# KiCad board Boston-keyboard-S.kicad_pcb (continued)
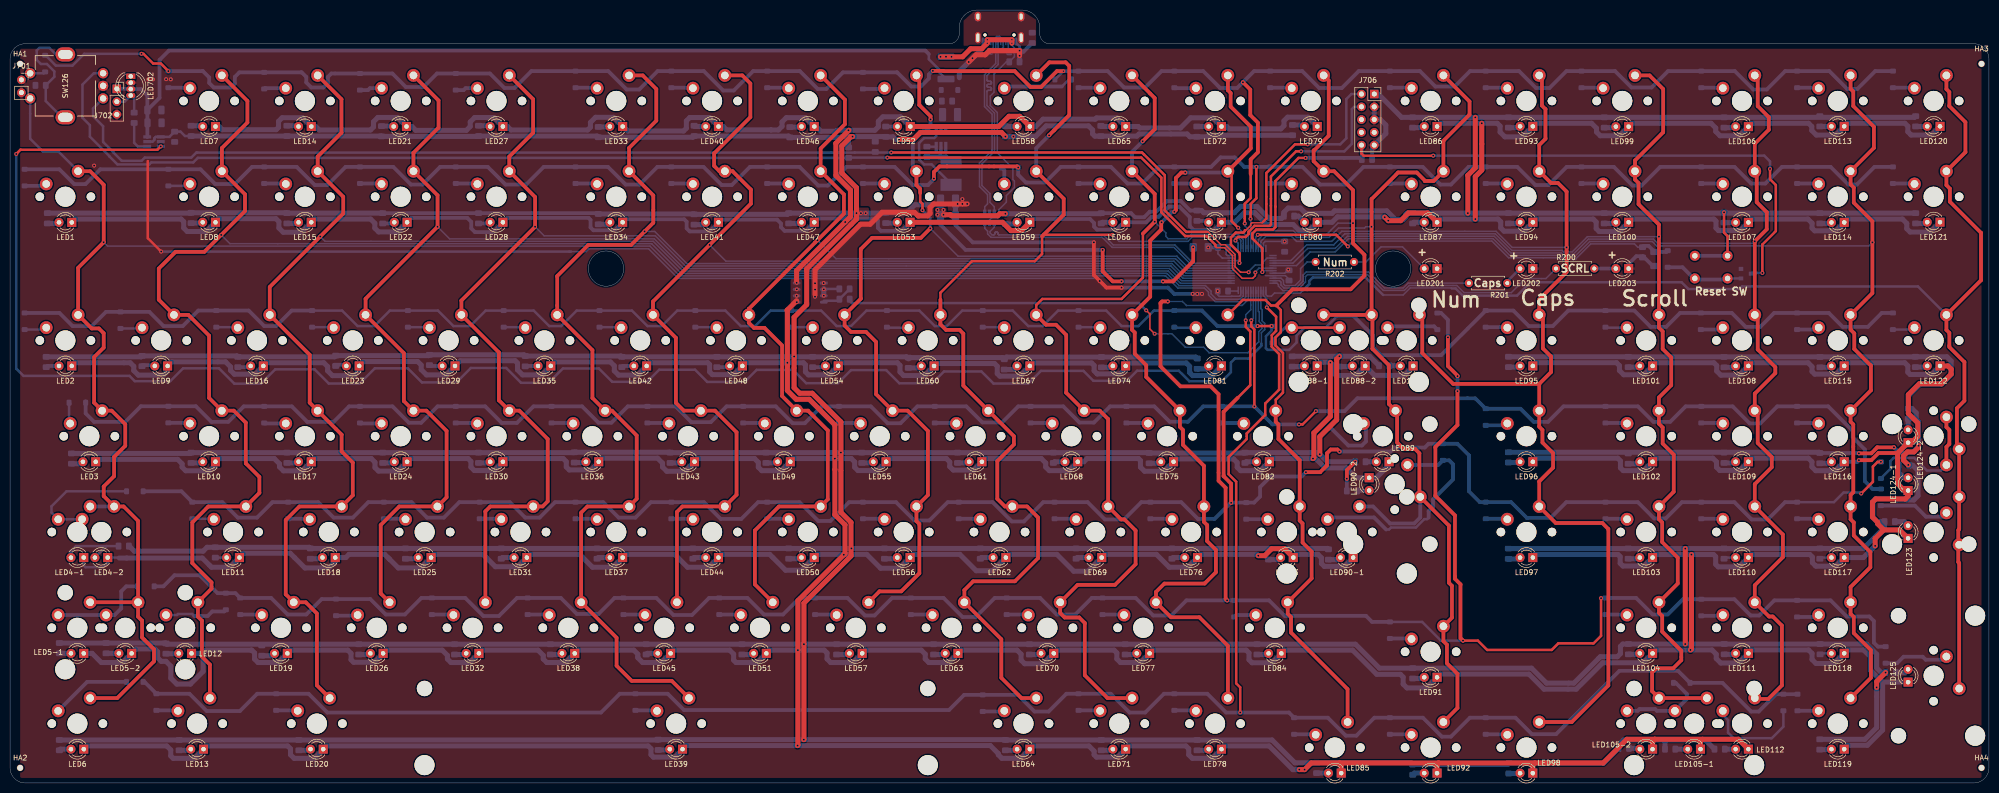
[diagram p0: board, top side]
## Routing (per net, layer and track width the routed paths; a pad name or vN(x,y) marks a point on that pad's centre or on a via; arc(x,y) is an arc through that point) (continued)
Dbus-: length 39.7
  Bottom w0.3: 196.99,147.97 196.99,148.22 196.73,148.48 196.24,148.48 195.99,148.23 195.99,143.08 193.76,140.85 193.76,134.5 195.26,133 195.26,125.8 192.76,123.3 192.76,118.6 194.36,117 194.36,115.16 193.8,114.6 U703.1
DI: length 7.2
  Bottom w0.5: R710.1 24.67,136.38 24.33,136.72 LED702.4 22.77,135.49 J702.2
EncA: length 262
  Top w0.3: v1(246.28,101.57) 244.67,101.57 243.57,102.67 243.57,105.09 241.63,107.03 240.79,107.03 238.23,109.59 237.98,109.59
  Top w0.5: v1(175.22,125.37) 225.08,125.37 229.6,120.85 229.6,113.86 233.87,109.59 237.98,109.59
  Bottom w0.3: v1(246.28,101.57) 246.59,101.88 246.59,102.01 247.57,102.99 248.87,102.99 249.22,103.34 249.22,103.67 249.93,104.38 U701.2
  Bottom w0.5: SW126.A 16.5,134.12 16.5,132.6 18.5,130.6 18.5,127.47 20.61,125.37 20.61,125.32 22.2,123.72 26.15,123.72 26.79,124.36 36.04,124.36 37.03,125.36 163.29,125.36 163.3,125.35 167.94,125.35 167.96,125.37 v1(175.22,125.37)
EncB: length 271.1
  Top w0.3: 239.67,106.72 239.94,106.45 241.49,106.45 243.06,104.88 243.06,102.3 245.01,100.35 247.08,100.35 247.61,100.88 v1(247.61,101.51)
  Top w0.5: 239.67,106.72 239.67,107.01 237.92,108.76 233.66,108.76 228.92,113.5 228.92,120.37 224.93,124.36 v1(174.44,124.36)
  Bottom w0.3: v1(247.61,101.51) 247.61,101.67 248.32,102.38 U701.6
  Bottom w0.5: SW126.B 16.65,141.12 14.4,138.88 14.4,132.28 15.87,130.81 15.87,128.53 19.72,124.67 19.72,124.63 21.35,123 27.67,123 28.07,123.4 36.42,123.4 37.33,124.31 R708.1 166.78,124.36 v1(174.44,124.36)
LED_PWM: length 98.8
  Top w0.3: v1(225.91,93.99) 226.65,93.25 226.65,90.27 v1(227.59,89.33)
  Bottom w0.3: v1(227.59,89.33) 227.6,89.32 231,89.32 233.68,86.65 237.32,86.65 238.43,85.55 246.12,85.55 248.29,87.72 248.29,89.73 248.91,90.35 248.91,91.19 248.39,91.71 248.39,93.62 248.21,93.8 U701.16
  Bottom w0.5: 167.14,95.68 167.39,95.43 224.47,95.43 v1(225.91,93.99)
LED_switch: length 2958.4
  Top w0.75: v1(367.62,64.19) 370.09,64.19 371.5,65.61 375.32,65.61
  Top w1: LED52.1 196.59,130.55 198.62,132.57 200.74,132.57 LED58.1 ; v1(334.12,26.44) 334.32,26.64 v1(334.32,45.42) ; LED53.1 197.34,111.5 199,109.84 201.12,109.84 LED59.1 ; 327.04,8.69 326.6,8.25 LED105-2.1 ; 327.04,8.69 343.68,8.69 LED112.1 ; 327.04,8.69 321.49,8.69 316.77,3.97 303.18,3.97 ; LED92.1 283.73,3.7 284,3.97 ; LED83.1 253.4,46.58 250.87,46.58 249.48,45.19 v1(248.2,45.19) ; 283.73,111.28 LED87.1 281.88,113.35 278.05,113.35 276.51,111.81 v1(274.04,111.81) v1(273.34,112.51) ; v1(291.34,112.13) 291.34,120.57 292.63,121.86 v1(292.63,131.18) ; LED122.1 385.33,82.92 385.96,82.29 385.96,81.3 384.03,79.37 379.61,79.37 377.45,77.21 377.45,73.47 379.33,71.59 379.33,68.91 378.1,67.68 LED124-2.1 375.32,65.61 375.32,59.5 376.67,58.16 LED124-1.1 377.39,57.03 376.85,56.48 370.97,56.48 370.32,55.83 370.32,52.86 371.34,51.84 371.34,51.54 372.56,50.32 ; LED98.1 302.78,3.57 303.18,3.97 ; LED85.1 264.68,3.65 264.36,3.97 ; 156.4,95.9 154.5,94 154.56,93.94 v1(154.56,83.56) 154.56,78.04 156.3,76.3 158.9,76.3 164,71.2 v1(164,64.5) 164,53.35 166.02,51.33 166.02,45.61 v1(165.78,45.38) 156.65,36.24 v1(156.65,26.41) 156.65,7.5 v1(156.58,7.43) ; 303.18,3.97 284,3.97 ; 264.36,3.97 258.73,3.97 v1(257.41,2.65) v1(256.35,2.65) ; 264.36,3.97 284,3.97 ; 372.56,50.32 370.85,48.61 v1(370.85,47.14) ; 372.56,50.32 375.7,50.32 LED123.1 ; 156.4,99.7 156.4,101.9 v1(166.05,111.55) 167.1,112.6 167.1,117.9 164.2,120.8 164.2,127.2 166.8,129.8 ; v1(262.52,83.58) 262.52,72.9 259.24,69.62 259.24,64.68 v1(259.07,64.51) ; LED105-1.1 336.12,8.27
  Bottom w0.5: LED4-1.1 14.65,43.25 15,42.9 18.5,42.9 19.41,43.81 LED4-2.1 21.63,44.82 21.72,44.72
  Bottom w0.75: LED53.1 177.25,109.79 173.16,109.79 172.56,110.39 172.56,111.85 172.15,112.26 160.67,112.26 LED47.1 158.2,109.79 154.01,109.79 153.29,110.51 153.29,111.25 152.52,112.02 141.38,112.02 LED41.1 139.04,109.68 135.14,109.68 134.53,110.29 134.53,111.61 134.05,112.09 122.41,112.09 LED34.1 120.22,109.91 115.98,109.91 115.42,110.47 115.42,111.99 115.03,112.38 98.88,112.38 LED28.1 96.04,109.54 92.44,109.54 91.7,110.28 91.7,111.59 90.91,112.38 79.83,112.38 LED22.1 ; LED59.1 203.42,112.15 214.74,112.15 215.55,111.34 215.55,110.62 216.13,110.04 219.97,110.04 221.42,111.5 LED66.1 225.89,111.5 227,112.6 228.4,112.6 230.4,114.6 232.5,114.6 234.57,112.53 234.57,110.72 235.35,109.95 239.32,109.95 LED73.1 240.87,111.97 ; v1(367.62,64.19) 367.3,63.87 LED116.1
  Bottom w1: 21.72,44.72 38.22,44.72 40.05,42.9 43.69,42.9 LED11.1 46.47,45.68 55.7,45.68 58.62,42.76 63.39,42.76 64.66,44.03 LED18.1 66.76,44.82 67.4,45.46 74.5,45.46 75.48,44.48 ; 372.28,20.06 369.95,22.38 369.95,25.05 368.56,26.44 365.37,26.44 LED118.1 362.68,23.75 359.1,23.75 358.3,24.55 358.3,25.75 357.61,26.44 346.32,26.44 LED111.1 343.73,23.85 340.15,23.85 339.25,24.75 339.25,25.6 338.41,26.44 v1(334.12,26.44) 327.27,26.44 LED104.1 324.73,23.9 316.67,23.9 311.42,18.65 305,18.65 302.01,21.64 284.37,21.64 LED91.1 281.62,18.9 277.75,18.9 277,19.65 277,21.05 276.45,21.6 271.75,21.6 266.94,26.41 253.41,26.41 LED84.1 250.91,23.9 246.95,23.9 246.35,24.5 246.35,25.85 245.79,26.41 227.22,26.41 LED77.1 224.76,23.94 220.79,23.94 220.07,24.66 220.07,25.85 219.51,26.41 208.17,26.41 LED70.1 205.47,23.71 201.74,23.71 201.02,24.42 201.02,25.61 200.23,26.41 189.12,26.41 LED63.1 186.66,23.94 182.69,23.94 181.97,24.66 181.97,25.61 181.18,26.41 170.07,26.41 LED57.1 167.61,23.94 163.16,23.94 162.45,24.66 162.45,25.85 161.89,26.41 v1(156.65,26.41) 151.02,26.41 LED51.1 148.56,23.94 144.35,23.94 143.87,24.42 143.87,25.61 143.08,26.41 131.97,26.41 LED45.1 129.51,23.94 125.78,23.94 124.82,24.9 124.82,25.61 124.03,26.41 112.92,26.41 LED38.1 110.46,23.94 106.73,23.94 106.01,24.66 106.01,25.37 104.98,26.41 93.87,26.41 LED32.1 91.41,23.94 87.68,23.94 86.96,24.66 86.96,25.37 85.93,26.41 74.82,26.41 LED26.1 72.41,24 68.3,24 67.8,24.5 67.8,25.75 67.14,26.41 55.51,26.41 55.13,26.03 LED19.1 53.31,23.94 49.31,23.94 48.62,24.63 48.62,25.85 48.06,26.41 38.94,26.41 38.38,25.85 ; 372.28,20.06 372.33,20 372.33,10.51 369.31,7.49 365.29,7.49 364.69,6.9 LED119.1 ; 372.28,20.06 LED125.1 ; LED122.1 382.05,81.22 377.8,81.22 377.35,81.67 377.35,82.95 376.74,83.56 365.33,83.56 LED115.1 363.07,81.3 358.82,81.3 358.3,81.83 358.3,82.78 357.52,83.56 346.28,83.56 LED108.1 343.82,81.1 340.15,81.1 339.35,81.9 339.35,83 338.79,83.56 327.23,83.56 LED101.1 324.85,81.17 320.85,81.17 320,82.03 320,83 319.43,83.57 303.43,83.57 LED95.1 ; LED83.1 255.8,45.46 260.06,45.46 260.75,44.77 260.75,43.64 261.32,43.07 265.32,43.07 267.06,44.81 ; LED121.1 381.78,109.56 377.8,109.56 377.14,110.22 377.14,111.27 376.28,112.13 365.36,112.13 LED114.1 363.03,109.8 358.82,109.8 358.3,110.33 358.3,111.33 357.49,112.13 346.28,112.13 345.64,111.5 LED107.1 344.03,109.85 339.7,109.85 339.2,110.35 339.2,111.72 338.79,112.13 322.47,112.13 LED100.1 319.98,109.65 315.98,109.65 315.38,110.25 315.38,111.55 314.79,112.13 303.43,112.13 LED94.1 301.02,109.72 297.05,109.72 296.4,110.38 296.4,111.6 295.87,112.13 284.37,112.13 LED87.1 ; LED5-1.1 16.32,25.77 18.14,23.94 22.35,23.94 LED5-2.1 25.05,26.65 28.78,26.65 29.34,26.09 29.34,24.9 30.05,24.18 31,24.18 31.95,23.23 31.95,20.85 33.15,19.66 35.86,19.66 38.38,22.18 38.38,25.85 ; LED88-1.1 260.65,83.67 262.43,83.67 v1(262.52,83.58) 262.82,83.28 262.82,81.88 263.68,81.03 267.55,81.03 LED88-2.1 271.31,81.05 277.23,81.05 278.97,82.8 LED127.1 ; LED3.1 17.51,64.35 33.32,64.35 34.21,63.46 34.21,62.8 34.93,62.08 39.66,62.08 40.84,63.27 LED10.1 41.48,64.51 52.54,64.51 53.58,63.47 53.58,62.85 54.36,62.07 58.09,62.07 LED17.1 60.53,64.51 71.82,64.51 72.56,63.77 72.56,62.72 73.26,62.02 77.09,62.02 LED24.1 79.58,64.51 91.07,64.51 91.64,63.94 91.64,62.8 92.31,62.13 96.25,62.13 LED30.1 98.63,64.51 109.99,64.51 110.6,63.9 110.6,62.84 111.19,62.25 115.56,62.25 117.04,63.73 LED36.1 117.76,64.58 128.76,64.58 129.74,63.6 129.74,62.82 130.58,61.98 134.21,61.98 LED43.1 136.73,64.51 148.03,64.51 148.78,63.76 148.78,62.79 149.47,62.1 153.38,62.1 LED49.1 155.78,64.51 167.27,64.51 167.94,63.84 167.94,62.78 168.6,62.12 172.44,62.12 LED55.1 174.83,64.51 186.17,64.51 186.85,63.83 186.85,62.91 187.54,62.22 191.59,62.22 LED61.1 193.88,64.51 205.05,64.51 205.93,63.63 205.93,62.82 206.64,62.11 210.54,62.11 LED68.1 213.5,63.87 214.14,64.51 224.37,64.51 224.76,64.12 224.76,62.81 225.58,61.99 229.46,61.99 LED75.1 231.91,64.44 243.27,64.44 244,63.71 244,62.78 244.68,62.1 248.62,62.1 LED82.1 251.03,64.51 v1(259.07,64.51) 259.61,64.51 261.48,62.64 265.68,62.64 267.62,60.69 LED90-2.1 271.67,60.69 273.84,62.87 273.84,62.93 ; LED116.1 362.93,62.1 359.03,62.1 358.28,62.85 358.28,63.87 357.57,64.58 346.36,64.58 LED109.1 343.93,62.15 339.94,62.15 339.31,62.78 339.31,63.85 338.58,64.58 327.31,64.58 LED102.1 324.83,62.11 320.75,62.11 320.2,62.66 320.2,64.05 319.67,64.58 303.49,64.58 LED96.1 ; LED120.1 382.02,128.85 378,128.85 377.35,129.5 377.35,130.6 376.77,131.18 365.31,131.18 LED113.1 362.97,128.85 359.15,128.85 358.25,129.75 358.25,130.55 357.62,131.18 346.31,131.18 LED106.1 343.83,128.7 340,128.7 339.15,129.55 339.15,130.25 338.22,131.18 322.5,131.18 LED99.1 320.01,128.7 316.2,128.7 315.45,129.45 315.45,130.2 314.47,131.18 303.4,131.18 LED93.1 300.69,128.48 297.23,128.48 296.27,129.43 296.27,130.62 295.71,131.18 v1(292.63,131.18) 284.38,131.18 LED86.1 ; LED12.1 38.31,25.77 38.38,25.85 ; LED1.1 12.93,112.13 34.02,112.13 34.53,111.62 34.53,110.36 35.23,109.66 39.01,109.66 LED8.1 41.56,112.21 52.87,112.21 53.46,111.62 53.46,110.36 54.31,109.51 57.91,109.51 LED15.1 60.53,112.13 71.7,112.13 72.53,111.3 72.53,110.33 73.28,109.58 77.03,109.58 LED22.1 ; LED81.1 238.96,81.01 235.13,81.01 234.55,81.59 234.55,82.84 233.88,83.51 222.41,83.51 LED74.1 221.82,82.45 220.71,81.34 216.2,81.34 216.15,81.39 216.12,81.39 215.55,81.96 215.55,83.02 215.06,83.51 203.36,83.51 LED67.1 200.75,80.9 196.8,80.9 196.29,81.41 196.29,82.87 195.76,83.4 183.93,83.4 183.72,83.19 LED60.1 181.81,81.01 177.67,81.01 176.95,81.73 176.95,83.04 176.43,83.56 165.06,83.56 164.67,83.17 LED54.1 162.9,81.15 158.75,81.15 158.15,81.75 158.15,83.15 157.74,83.56 146.26,83.56 LED48.1 143.9,81.2 139.65,81.2 139.1,81.75 139.1,83.2 138.74,83.56 127.21,83.56 LED42.1 124.75,81.1 121,81.1 120.15,81.95 120.15,82.95 119.38,83.72 108.32,83.72 LED35.1 105.75,81.15 101.9,81.15 100.9,82.15 100.9,83.5 100.44,83.96 89.51,83.96 LED29.1 86.7,81.15 82.8,81.15 81.75,82.2 81.75,83.1 81.06,83.79 70.29,83.79 LED23.1 69.42,81.97 68.45,81 64.1,81 63.15,81.95 63.15,82.8 62.39,83.56 51.01,83.56 LED16.1 48.73,81.28 44.6,81.28 43.85,82.03 43.85,82.75 42.86,83.74 32.14,83.74 LED9.1 31.32,81.92 30.5,81.1 25.5,81.1 24.6,82 24.6,82.85 23.89,83.56 12.91,83.56 LED2.1 ; LED58.1 203.94,130.55 205.4,132 215.77,132 216.02,132.25 220.12,132.25 LED65.1 224.31,130.55 224.6,130.25 232.73,130.25 234.75,132.28 239.14,132.28 LED72.1 241.9,130.55 242.38,130.07 252.68,130.07 253.3,130.7 253.3,131.68 254.02,132.4 258.06,132.4 LED79.1 ; LED59.1 203.3,112.02 ; v1(166.05,111.55) 166.05,112.12 166.03,112.13 165.94,112.13 ; LED7.1 41.56,130.55 42.19,129.91 52.91,129.91 53.39,130.39 53.39,131.58 54.1,132.29 58.15,132.29 LED14.1 60.78,130.55 61.47,129.85 71.67,129.85 72.28,130.45 72.28,131.5 73.12,132.35 77.01,132.35 LED21.1 79.91,130.55 80.68,129.78 90.72,129.78 91.5,130.55 91.5,131.45 92.38,132.32 96.22,132.32 LED27.1 98.91,130.55 99.6,129.85 114.85,129.85 115.4,130.4 115.4,131.35 116.43,132.38 119.98,132.38 LED33.1 121.93,130.55 122.82,129.65 133.93,129.65 134.47,130.2 134.47,131.65 135.15,132.32 139.08,132.32 LED40.1 141.81,130.55 142.47,129.88 151.3,129.88 151.32,129.85 152.78,129.85 153.5,130.57 153.5,131.45 154.35,132.3 158.15,132.3 LED46.1 160.28,130.55 161.22,129.6 164.3,129.6 164.49,129.79 v1(166.69,129.79) 171.96,129.79 172.65,130.48 172.65,131.57 173.55,132.47 177.07,132.47 LED52.1 ; LED97.1 302.78,45.05 303.15,45.42 319.74,45.42 320.15,45.01 320.15,43.68 320.69,43.14 324.92,43.14 LED103.1 327.19,45.42 v1(334.32,45.42) 338.72,45.42 339.14,45 339.14,43.48 339.65,42.97 343.8,42.97 LED110.1 346.24,45.42 357.87,45.42 358.37,44.92 358.37,43.81 358.94,43.24 358.95,43.24 359.09,43.1 362.98,43.1 LED117.1 368.5,44.82 370.82,47.14 v1(370.85,47.14) ; 75.13,44.82 75.48,44.48 ; 75.48,44.48 77.2,42.76 81.64,42.76 LED25.1 84.35,45.46 94.04,45.46 96.5,43 100.94,43 LED31.1 103.4,45.46 113.24,45.46 115.8,42.9 119.89,42.9 LED37.1 122.45,45.46 132.14,45.46 134.7,42.9 138.94,42.9 LED44.1 141.5,45.46 151.04,45.46 154.2,42.3 157.39,42.3 LED50.1 160.55,45.46 170.34,45.46 173.1,42.7 176.84,42.7 LED56.1 179.6,45.46 188.84,45.46 192.1,42.2 195.39,42.2 LED62.1 198.65,45.46 208.14,45.46 211.5,42.1 214.34,42.1 LED69.1 217.7,45.46 227.94,45.46 230.5,42.9 234.19,42.9 LED76.1 236.75,45.46 247.93,45.46 v1(248.2,45.19) ; v1(256.35,2.65) 255.06,2.65 250.35,7.36 241.51,7.36 LED78.1 239.04,4.89 235.08,4.89 234.36,5.61 234.36,6.8 233.8,7.36 222.46,7.36 LED71.1 220.23,5.13 216.03,5.13 215.55,5.61 215.55,6.32 214.51,7.36 203.41,7.36 LED64.1 200.94,4.89 197.21,4.89 196.5,5.61 196.5,5.85 194.92,7.43 v1(156.58,7.43) 134.42,7.43 LED39.1 133.71,6.64 132.21,5.13 127.92,5.13 127.44,5.61 127.44,6.8 126.88,7.36 62.91,7.36 LED20.1 60.45,4.89 56.48,4.89 55.77,5.61 55.77,6.8 55.21,7.36 39.1,7.36 LED13.1 36.64,4.89 32.43,4.89 31.95,5.37 31.95,6.56 31.16,7.36 15.29,7.36 LED6.1 ; v1(273.34,112.51) 273.27,112.58 263.95,112.58 262.88,111.5 LED80.1 258.27,109.85 256.32,109.85 255.12,111.05 249.85,111.05 247.5,113.4 245.4,113.4 243.5,111.5 LED73.1
  vias: v1(156.41,99.46) v1(156.43,98.16) v1(156.41,96.89) v1(156.44,95.61)
NRST: length 156.7
  Top w0.5: v1(249,101.6) 249,106.3 247,108.3 247,109.25 247.8,110.05 251.1,110.05 251.6,110.55 251.6,119.7 256.2,124.3 v1(257.6,124.3) ; J706.10 268.71,125.16 269.15,124.72 282.95,124.72 v1(282.98,124.75) ; v1(349.95,122.1) 349.95,120.05 351.1,118.9 351.1,109.75 348.43,107.08 v1(348.43,101.42)
  Bottom w0.3: v1(249,101.6) 249.28,101.88 U701.7
  Bottom w0.5: Q701.3 346.32,101.42 v1(348.43,101.42) ; v1(282.98,124.75) 348.8,124.75 349.95,123.6 v1(349.95,122.1)
  Bottom w0.75: J706.10 268.77,126.78 C702.1 268.48,124.3 v1(257.6,124.3)
NUM_INDICATOR: length 17
  Bottom w0.3: LED201.2 276.88,106.6 272.6,106.6 269.6,103.6 R202.1
RGBLED: length 359.9
  Top w0.5: v1(29.97,126.58) 29.32,125.92 2.08,125.92 v1(1.23,125.08)
  Bottom w0.3: 248.82,87.3 248.82,89.53 249.45,90.15 249.48,90.15 249.48,91.38 248.95,91.9 248.95,94.1 248.71,94.34 U701.15
  Bottom w0.5: 248.82,87.35 248.82,86.97 246.25,84.4 243.55,84.4 242.75,83.6 242.75,81.7 240.93,79.88 234.48,79.88 232.38,81.97 224.1,81.97 222.1,79.97 215.4,79.97 213.43,81.95 204.98,81.95 202.45,79.42 195.55,79.42 193.15,81.83 185.7,81.83 183.35,79.47 176.82,79.47 174.2,82.1 167.22,82.1 164.62,79.5 158.3,79.5 155.65,82.15 148.45,82.15 146.05,79.75 138.62,79.75 136.2,82.17 129.07,82.17 126.68,79.78 119.72,79.78 117.07,82.42 109.93,82.42 107.07,79.58 101.6,79.58 98.65,82.53 91.62,82.53 88.75,79.65 81.9,79.65 79.1,82.45 72.53,82.45 69.5,79.42 63.38,79.42 60.55,82.25 52.72,82.25 49.88,79.4 44.6,79.4 41.55,82.45 34.4,82.45 31.85,79.9 24.8,79.9 23.75,80.95 2.67,80.95 1.23,82.4 v1(1.23,125.08)
Row1: length 458.2
  Top w0.5: v1(245.5,111.25) 245.5,115.15 246.68,116.33 246.68,121.11 ; v1(26.12,145) 26.53,145 28.45,143.07 29.97,143.07 v1(31.48,141.56)
  Top w0.75: 185.65,141.55 193.45,141.55 ; 193.45,141.55 199.75,141.55 202.9,138.4 205,138.4 208.15,141.55 v2(209.45,141.55) ; 193.45,141.55 193.5,141.6 ; v1(245.14,139.34) 246.6,137.88 246.6,132.82 248.12,131.3 248.12,125.42 246.68,123.98 246.68,121.11 ; v1(183.5,141.6) 185.6,141.6
  Bottom w0.3: U701.41 246.21,110.09 245.5,110.8 v1(245.5,111.25)
  Bottom w0.5: v2(209.45,141.55) 207.8,139.9 D58.1 ; D126.1 7.05,144.7 9.1,142.65 12.4,142.65 14.75,145 v1(26.12,145)
  Bottom w0.75: 209.4,141.55 v2(209.45,141.55) 212.44,141.55 D65.1 218.24,141.56 221.5,138.3 225.7,138.3 228.96,141.56 D72.1 237.24,141.56 240.6,138.2 244,138.2 v1(245.14,139.34) 247.36,141.56 D79.1 256.94,141.56 260.3,138.2 264.8,138.2 268.16,141.56 D86.1 280.34,141.56 283.42,138.48 287.23,138.48 290.3,141.56 D93.1 300.04,141.56 303.4,138.2 306.1,138.2 309.46,141.56 D99.1 319.14,141.56 322.4,138.3 326.4,138.3 329.66,141.56 D106.1 342.94,141.56 346.6,137.9 349.3,137.9 352.96,141.56 D113.1 361.74,141.56 365.3,138 367.3,138 370.86,141.56 D120.1 ; v1(183.5,141.6) 183.4,141.6 182.7,140.9 182.7,140.1 181.1,138.5 179.2,138.5 176.39,141.31 D52.1 165.61,141.31 162.3,138 160.6,138 157.04,141.56 D46.1 147.76,141.56 143.9,137.7 141.8,137.7 137.94,141.56 D40.1 128.76,141.56 125.1,137.9 122.6,137.9 118.94,141.56 D33.1 103.66,141.56 100.3,138.2 98.3,138.2 95.41,141.09 D27.1 84.88,141.09 82.2,138.4 78.7,138.4 76.01,141.09 D21.1 63.89,141.09 63.2,140.4 63.2,139.2 62.3,138.3 59.9,138.3 58.9,139.3 58.9,140.4 57.99,141.31 D14.1 45.59,141.31 44.7,140.41 44.7,139.1 43.9,138.3 40.5,138.3 39.6,139.2 39.6,140.3 38.34,141.56 v1(31.48,141.56)
Row2: length 440.4
  Top w0.5: v1(247.81,122.51) 247.81,116.26 246.7,115.15 246.7,113.42 ; 246.7,113.42 246.65,113.37 v1(246.65,112.2) ; 246.7,113.42 246.71,113.41
  Top w0.75: v1(200.45,122.4) 200.25,122.6 184.8,122.6 183.7,121.5 v1(183.7,120.2)
  Bottom w0.3: 247.59,122.42 247.5,122.51 ; U701.42 246.71,112.14 v1(246.65,112.2)
  Bottom w0.75: v1(183.7,120.2) 183.7,120.1 182.52,118.92 182.52,118.9 179.5,118.9 175.89,122.51 D53.1 166.31,122.51 162.6,118.8 160.7,118.8 156.99,122.51 D47.1 147.11,122.51 143.5,118.9 141.5,118.9 137.89,122.51 D41.1 128.71,122.51 125.2,119 122.4,119 118.89,122.51 D34.1 106.11,122.51 102.6,119 98.5,119 94.99,122.51 D28.1 85.51,122.51 82,119 79.7,119 76.19,122.51 D22.1 66.71,122.51 63.1,118.9 60.6,118.9 56.99,122.51 D15.1 48.11,122.51 44.7,119.1 40.8,119.1 37.86,122.03 D8.1 17.94,122.03 15,119.09 12.75,119.09 9.81,122.03 D1.1 ; v1(200.45,122.4) 200.45,120.95 202,119.4 205.8,119.4 208.91,122.51 D66.1 218.89,122.51 222.2,119.2 225.1,119.2 228.41,122.51 D73.1 238.81,122.51 240.7,124.4 243.5,124.4 245.39,122.51 v1(247.81,122.51) D80.1 256.99,122.51 260.5,119 265.6,119 269.11,122.51 D87.1 280.89,122.51 284.4,119 286.5,119 290.01,122.51 D94.1 299.69,122.51 303.3,118.9 305.9,118.9 309.51,122.51 D100.1 318.89,122.51 322.6,118.8 324.4,118.8 328.11,122.51 D107.1 342.89,122.51 346.2,119.2 349,119.2 352.31,122.51 D114.1 361.99,122.51 365.5,119 367.2,119 370.71,122.51 D121.1
Row3: length 437.6
  Top w0.5: v1(248.06,90.86) v1(250.86,90.86)
  Bottom w0.3: U701.17 247.71,90.91 247.76,90.86
  Bottom w0.5: D81.1 227.44,93.94 224.36,90.86 221.03,90.86 217.95,93.94 D74.1 208.39,93.94 205.31,90.86 202.45,90.86 199.37,93.94 D67.1 189.34,93.94 186.26,90.86 183.88,90.86 180.8,93.94 D60.1 170.29,93.94 167.21,90.86 164.35,90.86 161.27,93.94 D54.1 151.24,93.94 148.16,90.86 145.3,90.86 142.22,93.94 D48.1 132.66,93.94 129.59,90.86 126.73,90.86 123.65,93.94 D42.1 112.66,93.94 109.58,90.86 107.2,90.86 104.12,93.94 D35.1 94.56,93.94 91.49,90.86 88.15,90.86 85.07,93.94 D29.1 75.51,93.94 72.44,90.86 69.1,90.86 66.02,93.94 D23.1 ; v1(250.86,90.86) 250.86,89.99 249.72,88.85 249.72,86.44 250.04,86.12 254.33,86.12 255.8,87.59 255.8,88.98 257.45,90.63 261.66,90.63 263.79,92.76 267.22,92.76
  Bottom w0.75: D23.1 55.99,93.94 52.91,90.86 50.53,90.86 47.45,93.94 D16.1 37.42,93.94 34.34,90.86 30.53,90.86 27.7,93.68 D9.1 19.06,93.68 16.24,90.86 12.43,90.86 9.83,93.46 D2.1 ; v1(248.06,90.86) 240.08,90.86 237,93.94 D81.1 ; D122.1 372.16,93.46 369.4,90.7 364.4,90.7 361.64,93.46 D115.1 350.76,93.46 348,90.7 345.1,90.7 342.34,93.46 D108.1 332.06,93.46 329.3,90.7 326.2,90.7 322.96,93.94 D101.1 309.83,93.94 306.75,90.86 301.99,90.86 298.91,93.94 D95.1 284.55,85.07 272.58,85.07 271,86.65 271,88.98 267.22,92.76
Row4: length 437.7
  Top w0.5: v1(246.8,92) 246.8,90.8 247.41,90.19 v1(247.41,74.89) ; v1(259.64,73.93) 257.01,71.3 v1(256.3,71.3)
  Bottom w0.3: v1(246.8,92) 247.21,92.41 U701.18
  Bottom w0.75: D123.1 370.35,58.45 368.8,60 368.8,66.32 366.4,68.72 366.4,70 361.51,74.89 D116.1 351.39,74.89 348,71.5 345.9,71.5 342.51,74.89 D109.1 333.17,74.89 330.09,71.81 326.75,71.81 323.68,74.89 D102.1 308.88,74.89 305.8,71.81 302.94,71.81 300.34,74.41 D96.1 291.33,76.5 267.9,76.5 265.33,73.93 D89.1 v1(259.64,73.93) ; v1(256.3,71.3) 251,71.3 v1(247.41,74.89) D82.1 237.26,74.89 234.2,71.83 230.57,71.83 227.51,74.89 D75.1 218.73,74.89 215.51,71.67 212.63,71.67 209.41,74.89 D68.1 200.46,74.89 197.26,71.69 193.33,71.69 190.13,74.89 D61.1 180.41,74.89 177.05,71.53 174.51,71.53 171.15,74.89 D55.1 161.38,74.89 158.02,71.53 155.61,71.53 152.25,74.89 D49.1 142.47,74.89 139.33,71.75 135.47,71.75 132.33,74.89 D43.1 122.83,74.89 119.58,71.64 116.99,71.64 113.74,74.89 D36.1 104.08,74.89 100.79,71.6 97.76,71.6 94.47,74.89 D30.1 85.01,74.89 81.75,71.63 79.3,71.63 76.04,74.89 D24.1 67.42,74.89 64.34,71.81 59.1,71.81 56.02,74.89 D17.1 46.46,74.89 43.39,71.81 40.05,71.81 36.95,74.91 D10.1 26.01,74.91 22.91,71.81 16.72,71.81 15.03,73.49 15.03,75.84 D3.1
Row5: length 452.8
  Top w0.5: v1(372,63.85) 371.34,63.85 370.4,62.91 370.4,59.88 v1(368.08,57.56) ; 244.1,76.6 246.6,79.1 246.6,89.8 245.7,90.7 v1(245.7,92)
  Top w0.75: v1(257.67,61.8) 260.5,61.8 261.86,63.16 261.86,65.57 262.6,66.31 263.94,66.31 v1(264.34,65.91) ; v1(242.8,55.7) 242.8,59.5 241.3,61 241.3,73.8 244.1,76.6
  Bottom w0.3: U701.19 246.71,94.11 245.7,93.1 v1(245.7,92)
  Bottom w0.5: v1(368.08,57.56) 367.89,57.75 364.57,57.75 362.66,55.84 D117.1
  Bottom w0.75: D4.1 34.08,58 D11.1 42.21,55.84 45.29,52.76 49.1,52.76 52.18,55.84 D18.1 61.26,55.84 64.34,52.76 68.15,52.76 71.23,55.84 D25.1 79.84,55.84 82.91,52.76 86.25,52.76 89.33,55.84 D31.1 99.36,55.84 102.44,52.76 105.3,52.76 108.38,55.84 D37.1 117.94,55.84 121.01,52.76 124.35,52.76 127.43,55.84 D44.1 137.96,55.84 141.3,52.5 145.4,52.5 148.74,55.84 D50.1 156.96,55.84 160.7,52.1 163.1,52.1 166.84,55.84 D56.1 176.16,55.84 179.8,52.2 182.8,52.2 186.44,55.84 D62.1 195.36,55.84 199.2,52 201.6,52 205.44,55.84 D69.1 214.26,55.84 217.7,52.4 221.5,52.4 224.94,55.84 D76.1 232.86,55.84 236.2,52.5 239.5,52.5 242.75,55.75 D83.1 247.35,55.75 248.55,56.95 248.55,58.84 250.65,60.94 256.81,60.94 v1(257.67,61.8) ; D117.1 352.94,55.84 349.5,52.4 346.3,52.4 342.86,55.84 D110.1 332.44,55.84 329.2,52.6 326.9,52.6 323.66,55.84 D103.1 309.44,55.84 306.3,52.7 301.6,52.7 298.46,55.84 D97.1 292.24,55.84 290.08,58 290.08,65.14 287.77,67.45 D90.1 282.05,67.45 281.3,66.7 275.3,66.7 274.51,65.91 v1(264.34,65.91)
Row6: length 558.9
  Top w0.5: v1(288.9,28.3) 291.85,28.3 293.7,26.45 306.55,26.45 307.85,27.75 314.85,27.75 316.35,29.25 v1(316.35,36.75)
  Top w0.75: v1(230.2,95.75) 229.08,95.75 228.75,95.42 228.75,82.85 232.73,78.87 238.72,78.87 240.3,77.29 240.3,60.1 241.7,58.7 241.7,36.6 v1(241.99,36.31) ; v1(288.9,28.3) 288.4,28.8 288.4,39.5 287.3,40.6 287.3,53.2 283.4,57.1 283.4,66.8 287.8,71.2 v1(287.8,77.9) ; v1(285.9,88.6) 285.9,82.9 287.8,81 v1(287.8,80.9)
  Bottom w0.3: U701.20 246.21,96.16 245,94.95 233.91,94.95 233.11,95.75 v1(230.2,95.75)
  Bottom w0.5: v1(316.35,36.75) 317.19,36.75 D104.1 ; D91.1 280.78,32.02 284.5,28.3 v1(288.9,28.3)
  Bottom w0.75: v1(287.8,80.9) v1(287.8,77.9) ; D104.1 323.31,36.79 326.6,33.5 329.6,33.5 332.63,36.53 D111.1 342.87,36.53 346.1,33.3 347.8,33.3 350.81,36.31 D118.1 361.99,36.31 365.2,33.1 369.7,33.1 370.6,32.2 370.6,27.9 371.39,27.11 D125.1 ; v1(285.9,88.6) 285.9,92.1 284.55,93.45 D127.1 ; D91.1 270.81,32.02 269.6,33.23 253.41,33.23 250.33,36.31 D84.1 v1(241.99,36.31) 233.91,36.31 230.9,33.3 227.3,33.3 223.81,36.79 D77.1 215.75,36.79 215.74,36.8 215.1,36.8 211.8,33.5 208.1,33.5 204.81,36.79 D70.1 195.79,36.79 192,33 189.4,33 185.61,36.79 D63.1 175.39,36.79 171.9,33.3 170,33.3 166.51,36.79 D57.1 156.99,36.79 153.7,33.5 149.9,33.5 146.61,36.79 D51.1 138.99,36.79 135.6,33.4 131.9,33.4 128.51,36.79 D45.1 120.19,36.79 117,33.6 112.7,33.6 109.51,36.79 D38.1 100.79,36.79 97.2,33.2 94.1,33.2 90.51,36.79 D32.1 81.79,36.79 78.5,33.5 74.7,33.5 71.64,36.56 D26.1 61.97,36.56 58.9,33.5 55.2,33.5 51.91,36.79 D19.1 44.81,37.74 D12.1 41.26,37.74 37.7,41.3 32.7,41.3 30.5,39.1 D5.1
